# Allegro board RK3576_Template_LP5D315P132SD8_25x36_2400MHz_H1R6_V11_20240530YWQ.brd (continued)
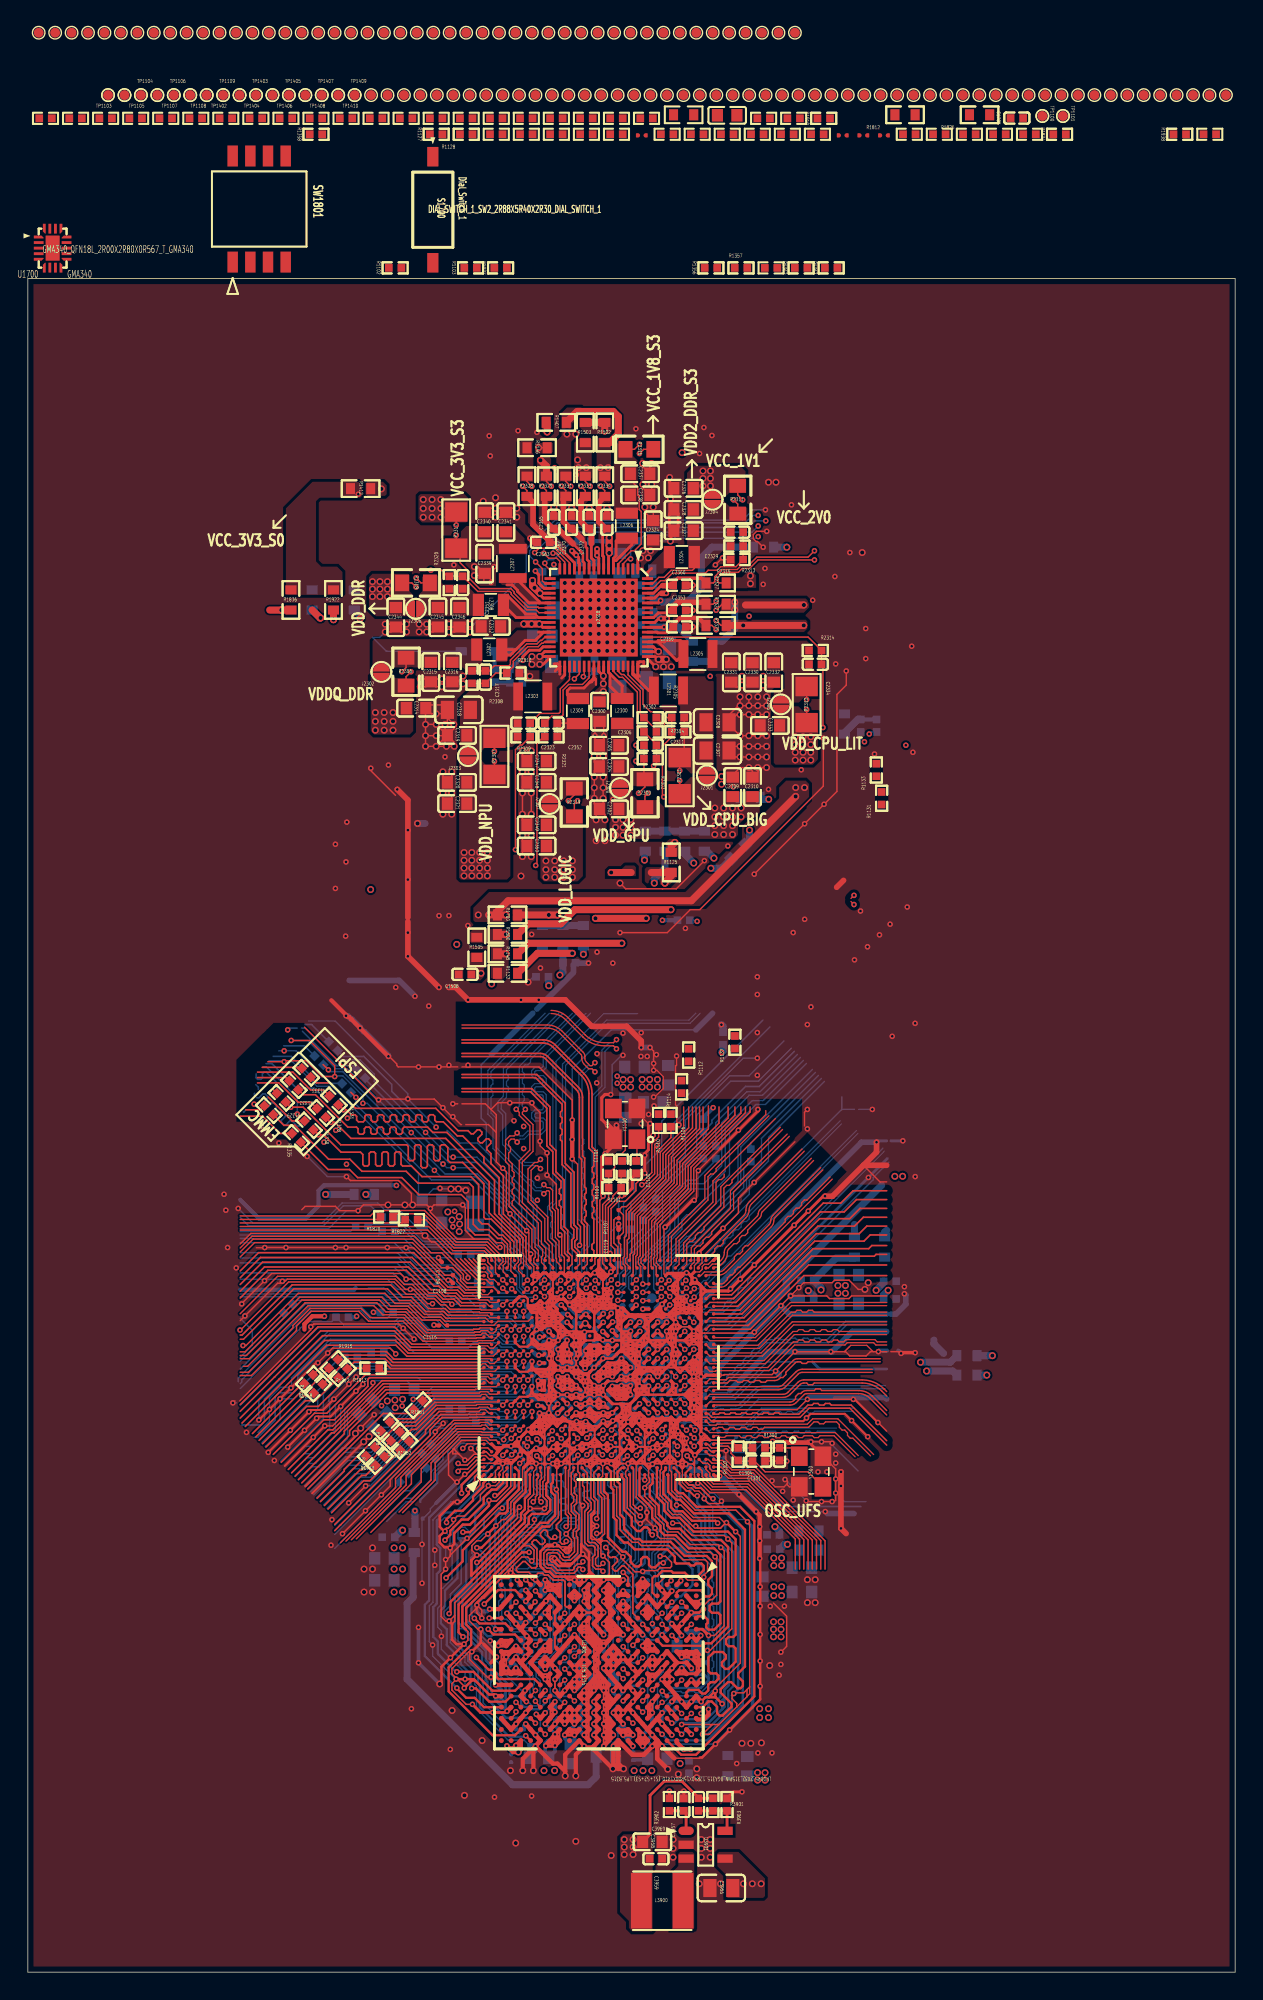
[diagram p0: board, top side]
## Placement (name value [footprint] x y rotation side) (continued)
NOREF  -  []  20.45 -15.37 0 top
R1100  22R  [R0402]  42.7 57.82 270 top
R1101  510K  [R0402]  42.18 56.35 180 top
R1102  10K  [R0402]  26.39 122.43 0 top
R1103  23.2K  [R0402]  31.81 122.43 0 top
R1104  10K  [R0402]  44.45 133.17 0 top
R1105  10K  [R0402]  47.12 75.56 0 bottom
R1106  0R  [R0402]  46.21 61.18 90 top
R1107  0R  [R0201]  42.44 54.46 270 top
R1109  0R  [R0402]  51.94 58.67 90 bottom
R1110  0R  [R0402]  45.32 61.18 90 top
R1111  0R  [R0402]  56.73 132.03 0 top
R1112  0R  [R0402]  47.48 65.88 90 top
R1114  0R  [R0402]  46.97 63.6 90 top
R1115  0R  [R0402]  14.22 133.17 0 top
R1116  0R  [R0402]  45.11 55.09 90 bottom
R1117  0R  [R0402]  48.53 58.9 90 bottom
R1118  0R  [R0402]  49.42 58.9 90 bottom
R1119  0.1R  [R0603]  44.36 81.25 270 bottom
R1120  0R  [R0402]  42.44 51.28 90 bottom
R1121  100K  [R0402]  48.53 60.83 270 bottom
R1122  0R  [R0402]  44.22 54.45 90 bottom
R1123  0R  [R0402]  43.33 53.82 90 bottom
R1125  0.1R  [R0603]  46.23 79.72 90 top
R1127  2.2K  [R0402]  29.34 132.03 0 top
R1128  2.2K  [R0402]  31.5 132.03 0 top
R1130  0R  [R0402]  63.33 132.03 0 top
R1131  0R  [R0402]  61.34 84.33 90 top
R1132  0.1R  [R0603]  34.46 71.75 0 top
R1133  0R  [R0402]  60.96 86.36 90 top
R1134  2.2K  [R0402]  45.93 132.03 0 top
R1135  2.2K  [R0402]  48.09 132.03 0 top
R1136  0.1R  [R0603]  39.91 74.46 270 bottom
R1137  0R  [R0402]  50.8 66.8 90 top
R1138  2.2K  [R0402]  60.98 89.54 270 bottom
R1139  2.2K  [R0402]  59.84 89.54 270 bottom
R1140  0R  [R0402]  65.49 132.03 0 top
R1141  0.1R  [R0603]  58.67 89.66 90 bottom
R1146  0.1R  [R0603]  36.59 109.51 180 top
R1147  0.1R  [R0603]  47.75 94.89 90 bottom
R1148  0.1R  [R0603]  34.46 73.15 180 top
R1200  240R  [R0201]  42.4 38.98 270 bottom
R1201  240R  [R0201]  38.93 39.4 90 bottom
R1202  0R  [R0402]  25.91 31.24 0 bottom
R1203  NC/0R  [R0201]  36.96 39.73 180 bottom
R1300  22R  [R0402]  52.51 37.66 0 top
R1301  8.2K  [R0201]  46.99 39.66 315 bottom
R1302  510K  [R0402]  51.04 37.21 270 top
R1303  0R  [R0201]  49.9 38.84 0 bottom
R1304  0R  [R0201]  48.31 36.62 0 bottom
R1305  0R  [R0201]  49.9 39.47 0 bottom
R1306  0R  [R0201]  50.32 36.96 0 bottom
R1307  0R  [R0201]  51.17 37.8 0 bottom
R1308  0.1R  [R0603]  67.47 44.29 0 bottom
R1309  0R  [R0201]  51.17 38.43 0 bottom
R1310  0R  [R0201]  36.61 50.56 90 bottom
R1313  0R  [R0201]  44.11 131.95 0 top
R1314  0R  [R0201]  58.55 131.95 0 top
R1318  0R  [R0201]  60.03 131.95 0 top
R1319  0R  [R0201]  61.51 131.95 0 top
R1320  0.1R  [R0603]  56.12 31.69 0 bottom
R1323  0.1R  [R0603]  56.12 30.32 0 bottom
R1324  0.1R  [R0603]  67.47 42.89 0 bottom
R1328  0R  [R0402]  21.09 61.73 135 top
R1329  0R  [R0402]  18.21 62.82 135 top
R1330  0R  [R0402]  20.2 60.83 135 top
R1331  0R  [R0402]  21.99 62.63 135 top
R1332  0R  [R0402]  19.11 63.71 135 top
R1333  0R  [R0402]  20.01 64.61 135 top
R1334  0R  [R0402]  17.31 61.92 135 top
R1335  0R  [R0402]  19.3 59.93 135 top
R1336  0R  [R0402]  21.94 66.52 135 bottom
R1337  0R  [R0402]  20.91 65.5 135 bottom
R1338  0R  [R0402]  23.91 64.55 135 bottom
R1339  0R  [R0402]  22.89 63.52 135 bottom
R1346  0.1R  [R0603]  23.46 98.57 90 bottom
R1353  22R  [R0402]  33.15 47.85 180 bottom
R1354  0.1R  [R0603]  24.17 55.87 180 bottom
R1356  NC/0R  [R0402]  49.08 122.43 0 top
R1357  NC/0R  [R0402]  51.24 122.43 0 top
R1358  NC/0R  [R0402]  20.7 132.03 0 top
R1359  NC/0R  [R0402]  53.4 122.43 0 top
R1362  NC/0R  [R0402]  55.56 122.43 0 top
R1363  NC/0R  [R0402]  57.71 122.43 0 top
R1400  8.2K  [R0201]  47.84 43.83 0 bottom
R1401  200R  [R0201]  47.5 41.3 0 bottom
R1402  200R  [R0201]  48.35 44.7 270 bottom
R1403  0.1R  [R0603]  59.39 52.09 90 bottom
R1404  0.1R  [R0603]  51.89 84.4 180 bottom
R1405  10K  [R0402]  22.86 133.17 0 top
R1406  20K  [R0402]  42.29 133.17 0 top
R1407  0.1R  [R0603]  37.96 111.33 0 top
R1409  0.1R  [R0603]  61.56 52.09 90 bottom
R1412  0.1R  [R0603]  23.91 106.57 180 top
R1500  0.1R  [R0603]  34.46 74.55 180 top
R1501  0.1R  [R0603]  45.77 81.25 90 bottom
R1502  0.1R  [R0603]  41.45 110.6 270 top
R1503  NC/0.1R  [R0603]  40.05 110.6 270 top
R1504  0.1R  [R0603]  51.03 80.5 45 bottom
R1505  0.1R  [R0603]  32.26 73.62 90 top
R1506  0.1R  [R0603]  48.6 81.25 90 bottom
R1507  0.1R  [R0603]  36.97 74.46 90 bottom
R1600  8.2K  [R0201]  46.67 48.31 90 bottom
R1602  0.1R  [R0603]  47.19 81.25 90 bottom
R1700  0.1R  [R0603]  34.46 75.95 180 top
R1701  0.1R  [R0603]  38.44 74.46 90 bottom
R1702  0.1R  [R0603]  47.12 133.43 0 top
R1707  100K  [R0402]  20.7 133.17 0 top
R1712  10K  [R0402]  52.86 133.17 0 top
R1800  2.2K  [R0402]  33.66 132.03 0 top
R1801  2.2K  [R0402]  35.81 132.03 0 top
R1802  0R  [R0402]  28.62 37.61 225 bottom
R1803  0R  [R0402]  28.97 36.54 225 bottom
R1804  0R  [R0402]  25.02 133.17 0 top
R1806  0R  [R0402]  27.04 35.53 225 bottom
R1807  0R  [R0402]  67.65 132.03 0 top
R1808  0R  [R0402]  27.18 133.17 0 top
R1810  0R  [R0402]  29.34 133.17 0 top
R1812  0.1R  [R0603]  63.02 133.43 0 top
R1814  0R  [R0402]  31.5 133.17 0 top
R1815  0R  [R0402]  31.37 51.56 180 bottom
R1816  0R  [R0402]  32.77 50.42 180 bottom
R1817  0R  [R0402]  33.66 133.17 0 top
R1818  0R  [R0402]  18.54 133.17 0 top
R1819  0R  [R0402]  32.77 49.53 180 bottom
R1820  0R  [R0402]  25.78 54.25 180 top
R1821  0R  [R0402]  25.91 54.23 180 bottom
R1822  0R  [R0402]  27.56 54.05 180 top
R1823  0R  [R0402]  25.91 53.21 180 bottom
R1824  0R  [R0402]  24 53.59 180 bottom
R1826  0.1R  [R0603]  68.38 133.43 0 top
R1827  0R  [R0402]  35.81 133.17 0 top
R1830  0R  [R0402]  69.81 132.03 0 top
R1832  0R  [R0402]  71.96 132.03 0 top
R1834  0R  [R0402]  74.12 132.03 0 top
R1836  0.1R  [R0603]  18.9 98.57 90 top
R1845  2.2K  [R0402]  37.97 132.03 0 top
R1846  2.2K  [R0402]  40.13 132.03 0 top
R1900  0R  [R0402]  37.97 133.17 0 top
R1902  0R  [R0402]  40.13 133.17 0 top
R1904  0R  [R0402]  7.75 133.17 0 top
R1907  0R  [R0402]  9.91 133.17 0 top
R1908  0R  [R0402]  12.07 133.17 0 top
R1909  4.7K  [R0402]  55.02 133.17 0 top
R1910  4.7K  [R0402]  57.18 133.17 0 top
R1911  0R  [R0402]  18.74 47.62 225 bottom
R1912  0R  [R0402]  22.64 43.02 225 top
R1913  0R  [R0402]  24.8 43.39 180 top
R1914  0R  [R0402]  33.05 44.62 180 bottom
R1915  0R  [R0402]  21.95 43.7 225 top
R1916  2.2K  [R0402]  22.59 47.05 180 bottom
R1917  2.2K  [R0402]  25.79 47.4 0 bottom
R1918  0R  [R0402]  20.86 41.92 225 top
R1919  0R  [R0402]  20.18 42.6 225 top
R1920  0R  [R0402]  23.22 44.16 180 bottom
R1921  0R  [R0402]  25.12 44.49 180 bottom
R1922  0.1R  [R0603]  21.96 98.57 90 top
R1924  0R  [R0402]  54.57 132.03 0 top
R1925  0R  [R0402]  16.38 133.17 0 top
R1926  2.2K  [R0402]  42.29 132.03 0 top
R1927  2.2K  [R0402]  33.97 122.43 0 top
R1928  0R  [R0402]  25.68 39.21 225 top
R1929  0R  [R0402]  26.4 38.49 225 top
R1930  0R  [R0402]  24.62 37.4 225 top
R1931  0R  [R0402]  28.04 40.73 225 top
R1932  0R  [R0402]  27.08 37.81 225 top
R1933  0R  [R0402]  25.3 36.71 225 top
R1934  2.2K  [R0402]  50.25 132.03 0 top
R1935  2.2K  [R0402]  52.41 132.03 0 top
R1937  0.1R  [R0603]  20.43 98.57 90 bottom
R1938  0R  [R0402]  82.76 132.03 0 top
R1939  0R  [R0402]  84.92 132.03 0 top
R1942  0R  [R0402]  1.27 133.17 0 top
R1943  0R  [R0402]  3.43 133.17 0 top
R1946  0R  [R0402]  5.59 133.17 0 top
R1949  0R  [R0402]  30.73 45.34 180 bottom
R1951  0R  [R0402]  32.64 39.5 180 bottom
R1952  0R  [R0402]  33.15 42.49 180 bottom
R1953  0R  [R0402]  30.73 40.44 180 bottom
R2300  0.02R  [R0805]  44.34 84.69 90 top
R2301  0.01R  [R1206]  46.83 85.95 270 top
R2302  49.9K  [R0402]  44.71 89.09 0 top
R2303  NC/100R  [R0402]  44.71 87.17 0 top
R2304  100R  [R0402]  46.71 89.1 180 top
R2305  100K  [R0402]  44.71 90.12 0 top
R2306  0.02R  [R0805]  27.17 93.42 90 top
R2307  0.01R  [R1206]  33.52 87.34 270 top
R2308  2K  [R0402]  31.91 93.03 270 top
R2309  NC/100R  [R0402]  35.64 88.74 0 top
R2310  100K  [R0402]  34.86 93.33 0 top
R2311  0.02R  [R0805]  51 105.77 270 top
R2312  0.01R  [R1206]  55.95 91.06 270 top
R2313  110K  [R0402]  50.94 102.44 0 top
R2314  100R  [R0402]  56.57 94.95 0 top
R2315  100K  [R0402]  50.94 101.48 180 top
R2316  0.02R  [R0805]  43.94 109.4 180 top
R2317  0.01R  [R1206]  30.78 103.59 90 top
R2318  0.02R  [R0805]  27.89 99.8 0 top
R2319  0.02R  [R0805]  39.26 84.03 270 top
R2320  100R  [R0402]  30.28 99.82 90 top
R2321  100R  [R0402]  37.59 88.74 180 top
R2322  0.02R  [R0603]  49.45 98.27 0 top
R2324  0R  [R0402]  40.01 102.81 180 bottom
R2325  0.05R  [R0603]  49.45 96.75 0 top
R2326  0.02R  [R0603]  52.86 102.37 0 bottom
R2327  0.05R  [R0603]  49.45 99.79 0 top
R2328  0.05R  [R0603]  35.86 106.74 90 top
R2329  0.05R  [R0603]  37.26 106.74 90 top
R2330  200K  [R0402]  33.56 93.12 270 bottom
R2331  0.02R  [R0603]  38.65 106.74 90 top
R2332  200K  [R0402]  35.08 92.62 0 bottom
R2333  0.02R  [R0603]  40.05 106.74 90 top
R2334  0.05R  [R0603]  41.45 106.74 90 top
R3900  240R  [R0201]  43.49 15.52 90 bottom
R3901  100K  [R0402]  49.22 12.04 270 top
R3902  56K  [R0402]  46.09 12.04 270 top
R3903  200K  [R0402]  50.24 12.04 90 top
R3904  0R  [R0603]  50.29 14.83 90 bottom
R3906  0R  [R0603]  27.76 30.86 90 bottom
S1700  Dial_Switch_1  [SW2_2R88X5R40X2R30]  29.1 126.61 0 top
SW1801  Dial_Switch_4  [SW8_5R68X5R40X2R30]  16.62 126.66 0 top
TP1100  TP_0.7  [TP_0R70]  72.89 133.34 0 top
TP1101  TP_0.7  [TP_0R70]  74.37 133.34 0 top
TP1102  TP_0.7  [TP_0R70]  44.83 48.41 180 bottom
TP1103  TP_0.7  [TP_0R70]  5.76 134.84 0 top
TP1104  TP_0.7  [TP_0R70]  6.94 134.84 0 top
TP1105  TP_0.7  [TP_0R70]  8.12 134.84 0 top
TP1106  TP_0.7  [TP_0R70]  9.31 134.84 0 top
TP1107  TP_0.7  [TP_0R70]  10.49 134.84 0 top
TP1108  TP_0.7  [TP_0R70]  11.67 134.84 0 top
TP1109  TP_0.7  [TP_0R70]  12.85 134.84 0 top
TP1400  TP_0.7  [TP_0R70]  48.9 43.18 270 bottom
TP1401  TP_0.7  [TP_0R70]  49.15 44.96 270 bottom
TP1402  TP_0.7  [TP_0R70]  14.03 134.84 0 top
TP1403  TP_0.7  [TP_0R70]  15.21 134.84 0 top
TP1404  TP_0.7  [TP_0R70]  16.39 134.84 0 top
TP1405  TP_0.7  [TP_0R70]  17.57 134.84 0 top
TP1406  TP_0.7  [TP_0R70]  18.75 134.84 0 top
TP1407  TP_0.7  [TP_0R70]  19.94 134.84 0 top
TP1408  TP_0.7  [TP_0R70]  21.12 134.84 0 top
TP1409  TP_0.7  [TP_0R70]  22.3 134.84 0 top
TP1410  TP_0.7  [TP_0R70]  23.48 134.84 0 top
TP1411  TP_0.7  [TP_0R70]  24.66 134.84 0 top
TP1412  TP_0.7  [TP_0R70]  25.84 134.84 0 top
TP1413  TP_0.7  [TP_0R70]  27.02 134.84 0 top
TP1414  TP_0.7  [TP_0R70]  28.2 134.84 0 top
TP1415  TP_0.7  [TP_0R70]  29.38 134.84 0 top
TP1500  TP_0.7  [TP_0R70]  30.57 134.84 0 top
TP1501  TP_0.7  [TP_0R70]  31.75 134.84 0 top
TP1502  TP_0.7  [TP_0R70]  32.93 134.84 0 top
TP1503  TP_0.7  [TP_0R70]  34.11 134.84 0 top
TP1504  TP_0.7  [TP_0R70]  35.29 134.84 0 top
TP1505  TP_0.7  [TP_0R70]  36.47 134.84 0 top
TP1506  TP_0.7  [TP_0R70]  37.65 134.84 0 top
TP1507  TP_0.7  [TP_0R70]  38.83 134.84 0 top
TP1508  TP_0.7  [TP_0R70]  40.01 134.84 0 top
TP1509  TP_0.7  [TP_0R70]  41.2 134.84 0 top
TP1510  TP_0.7  [TP_0R70]  42.38 134.84 0 top
TP1511  TP_0.7  [TP_0R70]  43.56 134.84 0 top
TP1512  TP_0.7  [TP_0R70]  44.74 134.84 0 top
TP1513  TP_0.7  [TP_0R70]  45.92 134.84 0 top
TP1514  TP_0.7  [TP_0R70]  47.1 134.84 0 top
TP1515  TP_0.7  [TP_0R70]  48.28 134.84 0 top
TP1516  TP_0.7  [TP_0R70]  49.46 134.84 0 top
TP1517  TP_0.7  [TP_0R70]  50.64 134.84 0 top
TP1518  TP_0.7  [TP_0R70]  51.83 134.84 0 top
TP1519  TP_0.7  [TP_0R70]  53.01 134.84 0 top
TP1520  TP_0.7  [TP_0R70]  54.19 134.84 0 top
TP1521  TP_0.7  [TP_0R70]  55.37 134.84 0 top
TP1522  TP_0.7  [TP_0R70]  56.55 134.84 0 top
TP1523  TP_0.7  [TP_0R70]  57.73 134.84 0 top
TP1524  TP_0.7  [TP_0R70]  58.91 134.84 0 top
TP1525  TP_0.7  [TP_0R70]  60.09 134.84 0 top
TP1526  TP_0.7  [TP_0R70]  61.27 134.84 0 top
TP1527  TP_0.7  [TP_0R70]  62.46 134.84 0 top
TP1528  TP_0.7  [TP_0R70]  63.64 134.84 0 top
TP1529  TP_0.7  [TP_0R70]  64.82 134.84 0 top
TP1530  TP_0.7  [TP_0R70]  66 134.84 0 top
TP1531  TP_0.7  [TP_0R70]  67.18 134.84 0 top
TP1532  TP_0.7  [TP_0R70]  68.36 134.84 0 top
TP1533  TP_0.7  [TP_0R70]  69.54 134.84 0 top
TP1534  TP_0.7  [TP_0R70]  70.72 134.84 0 top
TP1535  TP_0.7  [TP_0R70]  71.9 134.84 0 top
TP1536  TP_0.7  [TP_0R70]  73.08 134.84 0 top
TP1537  TP_0.7  [TP_0R70]  74.27 134.84 0 top
TP1538  TP_0.7  [TP_0R70]  75.45 134.84 0 top
TP1539  TP_0.7  [TP_0R70]  76.63 134.84 0 top
TP1540  TP_0.7  [TP_0R70]  77.81 134.84 0 top
TP1541  TP_0.7  [TP_0R70]  78.99 134.84 0 top
TP1542  TP_0.7  [TP_0R70]  80.17 134.84 0 top
TP1543  TP_0.7  [TP_0R70]  81.35 134.84 0 top
TP1600  TP_0.7  [TP_0R70]  82.53 134.84 0 top
TP1601  TP_0.7  [TP_0R70]  83.71 134.84 0 top
TP1602  TP_0.7  [TP_0R70]  84.9 134.84 0 top
TP1603  TP_0.7  [TP_0R70]  86.08 134.84 0 top
TP1604  TP_0.7  [TP_0R70]  0.78 139.32 0 top
TP1605  TP_0.7  [TP_0R70]  1.96 139.32 0 top
TP1606  TP_0.7  [TP_0R70]  3.14 139.32 0 top
TP1607  TP_0.7  [TP_0R70]  4.32 139.32 0 top
TP1608  TP_0.7  [TP_0R70]  5.51 139.32 0 top
TP1609  TP_0.7  [TP_0R70]  6.69 139.32 0 top
TP1700  TP_0.7  [TP_0R70]  7.87 139.32 0 top
TP1701  TP_0.7  [TP_0R70]  9.05 139.32 0 top
TP1702  TP_0.7  [TP_0R70]  10.23 139.32 0 top
TP1703  TP_0.7  [TP_0R70]  11.41 139.32 0 top
TP1704  TP_0.7  [TP_0R70]  12.59 139.32 0 top
TP1705  TP_0.7  [TP_0R70]  13.77 139.32 0 top
TP1706  TP_0.7  [TP_0R70]  14.95 139.32 0 top
TP1707  TP_0.7  [TP_0R70]  16.14 139.32 0 top
TP1800  TP_0.7  [TP_0R70]  17.32 139.32 0 top
TP1801  TP_0.7  [TP_0R70]  18.5 139.32 0 top
TP1802  TP_0.7  [TP_0R70]  19.68 139.32 0 top
TP1803  TP_0.7  [TP_0R70]  20.86 139.32 0 top
TP1804  TP_0.7  [TP_0R70]  22.04 139.32 0 top
TP1805  TP_0.7  [TP_0R70]  23.22 139.32 0 top
TP1806  TP_0.7  [TP_0R70]  24.4 139.32 0 top
TP1807  TP_0.7  [TP_0R70]  25.58 139.32 0 top
TP1808  TP_0.7  [TP_0R70]  26.77 139.32 0 top
TP1809  TP_0.7  [TP_0R70]  27.95 139.32 0 top
TP1900  TP_0.7  [TP_0R70]  29.13 139.32 0 top
TP1901  TP_0.7  [TP_0R70]  30.31 139.32 0 top
TP1902  TP_0.7  [TP_0R70]  31.49 139.32 0 top
TP1903  TP_0.7  [TP_0R70]  32.67 139.32 0 top
TP1904  TP_0.7  [TP_0R70]  33.85 139.32 0 top
TP1905  TP_0.7  [TP_0R70]  35.03 139.32 0 top
TP1906  TP_0.7  [TP_0R70]  36.21 139.32 0 top
TP1907  TP_0.7  [TP_0R70]  37.4 139.32 0 top
TP1908  TP_0.7  [TP_0R70]  38.58 139.32 0 top
TP1909  TP_0.7  [TP_0R70]  39.76 139.32 0 top
TP1910  TP_0.7  [TP_0R70]  40.94 139.32 0 top
TP1911  TP_0.7  [TP_0R70]  42.12 139.32 0 top
TP1912  TP_0.7  [TP_0R70]  43.3 139.32 0 top
TP1913  TP_0.7  [TP_0R70]  44.48 139.32 0 top
TP1914  TP_0.7  [TP_0R70]  45.66 139.32 0 top
TP1915  TP_0.7  [TP_0R70]  46.84 139.32 0 top
TP1916  TP_0.7  [TP_0R70]  48.03 139.32 0 top
TP1917  TP_0.7  [TP_0R70]  49.21 139.32 0 top
TP1918  TP_0.7  [TP_0R70]  50.39 139.32 0 top
TP1919  TP_0.7  [TP_0R70]  51.57 139.32 0 top
TP1920  TP_0.7  [TP_0R70]  52.75 139.32 0 top
TP1921  TP_0.7  [TP_0R70]  53.93 139.32 0 top
TP1922  TP_0.7  [TP_0R70]  55.11 139.32 0 top
TP2318  TP_0.7  [TP_0R70]  38.05 102.46 180 bottom
U1000  RK3576  [BGA698_16R1X17R2X1R08]  41.02 43.43 90 top
U1700  GMA340  [QFN18L_2R00X2R80X0R567_T]  1.78 123.85 0 top
U2300  RK806S-5  [QFN68_7R00X7R00X0R80_T]  41.02 97.31 270 top
U3900  LP5_B315  [BGA315_12R40X15R00X1R10]  41.02 22.23 270 top
U3901  TMI3112H/TCS4203/EC3420  [SOT_23_5]  48.69 9.15 0 top
Y1100  24MHz  [CRY4_3R20X2R50X0R80]  42.91 60.94 90 top
Y1300  26MHz  [CRY4_3R20X2R50X0R80]  56.28 35.96 270 top

## Library data of the parts
C1000-C1007 C1009-C1013 C1015-C1018 C1020-C1024 C1026-C1040 C1100-C1119 C1200-C1214 C1300-C1309 C1400 C1402 C1404-C1406 C1408 C1409 C1500-C1510 C1600-C1603 C1700-C1706 C1800-C1802 C1901 C1903 C2300 C2301 C2307 C2308 C2311-C2313 C2315-C2317 C2324 C2325 C2327-C2332 C2334-C2343 C2345-C2348 C2351-C2372 C3902-C3910 C3912-C3916 C3918-C3931 C3933-C3935 C3938 C3941-C3945 C3947-C3952 C3954 C3956-C3962 C3964-C3968 C3970 = CAP NP
C1008 C1014 C1401 C1403 C1407 C1900 C1902 C2302 C2304-C2306 C2309 C2310 C2314 C2318-C2321 C2323 C2326 C2333 C2344 C2349 C2350 C3900 C3901 C3911 C3917 C3932 C3936 C3937 C3939 C3940 C3946 C3953 C3955 C3963 C3969 = CAP NP_NC
D2300 = DIODE ZENER2
D2301 = DIODE
J2300-J2307 = JM_0
L2300-L2309 L3900 = INDUCTORS OF FERRITE
R1100 R1101 R1104-R1107 R1109-R1112 R1114-R1123 R1125 R1127 R1128 R1130-R1141 R1146-R1148 R1202 R1300-R1302 R1304 R1306 R1308 R1320 R1323 R1324 R1400-R1407 R1409 R1412 R1500-R1502 R1504-R1507 R1600 R1602 R1700-R1702 R1707 R1712 R1800-R1804 R1806-R1808 R1810 R1812 R1814-R1824 R1826 R1827 R1830 R1832 R1834 R1836 R1845 R1846 R1900 R1902 R1904 R1907-R1911 R1916 R1917 R1920-R1922 R1924-R1927 R1934 R1935 R1937-R1939 R1942 R1943 R1946 R1949 R1951-R1953 R2300 R2301 R2304-R2307 R2310-R2312 R2314-R2322 R2324-R2334 R3901-R3904 R3906 = RESISTOR5
R1102 R1103 R2302 R2308 R2313 = RESISTOR1
R1200 R1201 R1203 R1503 R2303 R2309 R3900 = RESISTOR5_NC
R1303 R1305 R1307 R1309 R1310 R1313 R1314 R1318 R1319 R1346 R1353 R1354 R1912-R1915 R1918 R1919 R1928-R1933 = RESISTOR5: signal model: RESISTOR5_R0201_0R_0R
R1328-R1339 = RESISTOR5: signal model: RESISTOR5_R0402_0R_0R
R1356-R1359 R1362 R1363 = RESISTOR5_NC: signal model: RESISTOR5_NC_R0402_NC/0R_NC/0R
S1700 = Dial_Switch_1
SW1801 = Dial_Switch_4
TP1100-TP1109 TP1400-TP1415 TP1500-TP1543 TP1600-TP1609 TP1700-TP1707 TP1800-TP1809 TP1900-TP1922 TP2318 = TP
U1000 = SOC_RK3576
U1700 = GMA340
U2300 = PMIC_RK806S-5
U3900 = LPDDR5_2X32_315Pin
U3901 = DCDC_SY8088
Y1100 Y1300 = CRYSTAL_4P

## Footprints (pads in the part's own frame, mm; a bottom-side part is the same pattern mirrored in y, then rotated)
BGA315_12R40X15R00X1R10
  round 0.35 smd: A1(-5.6,7) A2(-4.8,7) A3(-4,7) A4(-3.2,7) A5(-2.4,7) A6(-1.6,7) A7(-0.8,7) A8(0,7) A9(0.8,7) A10(1.6,7) A11(2.4,7) A12(3.2,7) A13(4,7) A14(4.8,7) A15(5.6,7) AA1(-5.6,-7) AA2(-4.8,-7) AA3(-4,-7) AA4(-3.2,-7) AA5(-2.4,-7) AA6(-1.6,-7) AA7(-0.8,-7) AA8(0,-7) AA9(0.8,-7) AA10(1.6,-7) AA11(2.4,-7) AA12(3.2,-7) AA13(4,-7) AA14(4.8,-7) AA15(5.6,-7) B1(-5.6,6.3) B2(-4.8,6.3) B3(-4,6.3) B4(-3.2,6.3) B5(-2.4,6.3) B6(-1.6,6.3) B7(-0.8,6.3) B8(0,6.3) B9(0.8,6.3) B10(1.6,6.3) B11(2.4,6.3) B12(3.2,6.3) B13(4,6.3) B14(4.8,6.3) B15(5.6,6.3) C1(-5.6,5.6) C2(-4.8,5.6) C3(-4,5.6) C4(-3.2,5.6) C5(-2.4,5.6) C6(-1.6,5.6) C7(-0.8,5.6) C8(0,5.6) C9(0.8,5.6) C10(1.6,5.6) C11(2.4,5.6) C12(3.2,5.6) C13(4,5.6) C14(4.8,5.6) C15(5.6,5.6) D1(-5.6,4.9) D2(-4.8,4.9) D3(-4,4.9) D4(-3.2,4.9) D5(-2.4,4.9) D6(-1.6,4.9) D7(-0.8,4.9) D8(0,4.9) D9(0.8,4.9) D10(1.6,4.9) D11(2.4,4.9) D12(3.2,4.9) D13(4,4.9) D14(4.8,4.9) D15(5.6,4.9) E1(-5.6,4.2) E2(-4.8,4.2) E3(-4,4.2) E4(-3.2,4.2) E5(-2.4,4.2) E6(-1.6,4.2) E7(-0.8,4.2) E8(0,4.2) E9(0.8,4.2) E10(1.6,4.2) E11(2.4,4.2) E12(3.2,4.2) E13(4,4.2) E14(4.8,4.2) E15(5.6,4.2) F1(-5.6,3.5) F2(-4.8,3.5) F3(-4,3.5) F4(-3.2,3.5) F5(-2.4,3.5) F6(-1.6,3.5) F7(-0.8,3.5) F8(0,3.5) F9(0.8,3.5) F10(1.6,3.5) F11(2.4,3.5) F12(3.2,3.5) F13(4,3.5) F14(4.8,3.5) F15(5.6,3.5) G1(-5.6,2.8) G2(-4.8,2.8) G3(-4,2.8) G4(-3.2,2.8) G5(-2.4,2.8) G6(-1.6,2.8) G7(-0.8,2.8) G8(0,2.8) G9(0.8,2.8) G10(1.6,2.8) G11(2.4,2.8) G12(3.2,2.8) G13(4,2.8) G14(4.8,2.8) G15(5.6,2.8) H1(-5.6,2.1) H2(-4.8,2.1) H3(-4,2.1) H4(-3.2,2.1) H5(-2.4,2.1) H6(-1.6,2.1) H7(-0.8,2.1) H8(0,2.1) H9(0.8,2.1) H10(1.6,2.1) H11(2.4,2.1) H12(3.2,2.1) H13(4,2.1) H14(4.8,2.1) H15(5.6,2.1) J1(-5.6,1.4) J2(-4.8,1.4) J3(-4,1.4) J4(-3.2,1.4) J5(-2.4,1.4) J6(-1.6,1.4) J7(-0.8,1.4) J8(0,1.4) J9(0.8,1.4) J10(1.6,1.4) J11(2.4,1.4) J12(3.2,1.4) J13(4,1.4) J14(4.8,1.4) J15(5.6,1.4) K1(-5.6,0.7) K2(-4.8,0.7) K3(-4,0.7) K4(-3.2,0.7) K5(-2.4,0.7) K6(-1.6,0.7) K7(-0.8,0.7) K8(0,0.7) K9(0.8,0.7) K10(1.6,0.7) K11(2.4,0.7) K12(3.2,0.7) K13(4,0.7) K14(4.8,0.7) K15(5.6,0.7) L1(-5.6,0) L2(-4.8,0) L3(-4,0) L4(-3.2,0) L5(-2.4,0) L6(-1.6,0) L7(-0.8,0) L8(0,0) L9(0.8,0) L10(1.6,0) L11(2.4,0) L12(3.2,0) L13(4,0) L14(4.8,0) L15(5.6,0) M1(-5.6,-0.7) M2(-4.8,-0.7) M3(-4,-0.7) M4(-3.2,-0.7) M5(-2.4,-0.7) M6(-1.6,-0.7) M7(-0.8,-0.7) M8(0,-0.7) M9(0.8,-0.7) M10(1.6,-0.7) M11(2.4,-0.7) M12(3.2,-0.7) M13(4,-0.7) M14(4.8,-0.7) M15(5.6,-0.7) N1(-5.6,-1.4) N2(-4.8,-1.4) N3(-4,-1.4) N4(-3.2,-1.4) N5(-2.4,-1.4) N6(-1.6,-1.4) N7(-0.8,-1.4) N8(0,-1.4) N9(0.8,-1.4) N10(1.6,-1.4) N11(2.4,-1.4) N12(3.2,-1.4) N13(4,-1.4) N14(4.8,-1.4) N15(5.6,-1.4) P1(-5.6,-2.1) P2(-4.8,-2.1) P3(-4,-2.1) P4(-3.2,-2.1) P5(-2.4,-2.1) P6(-1.6,-2.1) P7(-0.8,-2.1) P8(0,-2.1) P9(0.8,-2.1) P10(1.6,-2.1) P11(2.4,-2.1) P12(3.2,-2.1) P13(4,-2.1) P14(4.8,-2.1) P15(5.6,-2.1) R1(-5.6,-2.8) R2(-4.8,-2.8) R3(-4,-2.8) R4(-3.2,-2.8) R5(-2.4,-2.8) R6(-1.6,-2.8) R7(-0.8,-2.8) R8(0,-2.8) R9(0.8,-2.8) R10(1.6,-2.8) R11(2.4,-2.8) R12(3.2,-2.8) R13(4,-2.8) R14(4.8,-2.8) R15(5.6,-2.8) T1(-5.6,-3.5) T2(-4.8,-3.5) T3(-4,-3.5) T4(-3.2,-3.5) T5(-2.4,-3.5) T6(-1.6,-3.5) T7(-0.8,-3.5) T8(0,-3.5) T9(0.8,-3.5) T10(1.6,-3.5) T11(2.4,-3.5) T12(3.2,-3.5) T13(4,-3.5) T14(4.8,-3.5) T15(5.6,-3.5) U1(-5.6,-4.2) U2(-4.8,-4.2) U3(-4,-4.2) U4(-3.2,-4.2) U5(-2.4,-4.2) U6(-1.6,-4.2) U7(-0.8,-4.2) U8(0,-4.2) U9(0.8,-4.2) U10(1.6,-4.2) U11(2.4,-4.2) U12(3.2,-4.2) U13(4,-4.2) U14(4.8,-4.2) U15(5.6,-4.2) V1(-5.6,-4.9) V2(-4.8,-4.9) V3(-4,-4.9) V4(-3.2,-4.9) V5(-2.4,-4.9) V6(-1.6,-4.9) V7(-0.8,-4.9) V8(0,-4.9) V9(0.8,-4.9) V10(1.6,-4.9) V11(2.4,-4.9) V12(3.2,-4.9) V13(4,-4.9) V14(4.8,-4.9) V15(5.6,-4.9) W1(-5.6,-5.6) W2(-4.8,-5.6) W3(-4,-5.6) W4(-3.2,-5.6) W5(-2.4,-5.6) W6(-1.6,-5.6) W7(-0.8,-5.6) W8(0,-5.6) W9(0.8,-5.6) W10(1.6,-5.6) W11(2.4,-5.6) W12(3.2,-5.6) W13(4,-5.6) W14(4.8,-5.6) W15(5.6,-5.6) Y1(-5.6,-6.3) Y2(-4.8,-6.3) Y3(-4,-6.3) Y4(-3.2,-6.3) Y5(-2.4,-6.3) Y6(-1.6,-6.3) Y7(-0.8,-6.3) Y8(0,-6.3) Y9(0.8,-6.3) Y10(1.6,-6.3) Y11(2.4,-6.3) Y12(3.2,-6.3) Y13(4,-6.3) Y14(4.8,-6.3) Y15(5.6,-6.3)
BGA698_16R1X17R2X1R08
  round 0.245 smd: 1A1(-7.2,7.2) 1A2(-6.6,7.2) 1A3(-6,7.2) 1A4(-5.4,7.2) 1A5(-4.8,7.2) 1A6(-4.2,7.2) 1A7(-3.6,7.2) 1A8(-3,7.2) 1A9(-2.4,7.2) 1A10(-1.8,7.2) 1A11(-1.2,7.2) 1A12(-0.6,7.2) 1A13(0,7.2) 1A14(0.6,7.2) 1A15(1.2,7.2) 1A16(1.8,7.2) 1A17(2.4,7.2) 1A18(3,7.2) 1A19(3.6,7.2) 1A20(4.2,7.2) 1A21(4.8,7.2) 1A22(5.4,7.2) 1A23(6,7.2) 1A24(6.6,7.2) 1AA1(-7.2,-4.8) 1AA2(-6.6,-4.8) 1AA3(-6,-4.8) 1AA4(-5.4,-4.8) 1AA5(-4.8,-4.8) 1AA6(-4.2,-4.8) 1AA20(4.2,-4.8) 1AA21(4.8,-4.8) 1AA22(5.4,-4.8) 1AA23(6,-4.8) 1AA24(6.6,-4.8) 1AB1(-7.2,-5.4) 1AB2(-6.6,-5.4) 1AB3(-6,-5.4) 1AB4(-5.4,-5.4) 1AB5(-4.8,-5.4) 1AB6(-4.2,-5.4) 1AB20(4.2,-5.4) 1AB21(4.8,-5.4) 1AB22(5.4,-5.4) 1AB23(6,-5.4) 1AB24(6.6,-5.4) 1AC1(-7.2,-6) 1AC2(-6.6,-6) 1AC3(-6,-6) 1AC4(-5.4,-6) 1AC5(-4.8,-6) 1AC6(-4.2,-6) 1AC20(4.2,-6) 1AC21(4.8,-6) 1AC22(5.4,-6) 1AC23(6,-6) 1AC24(6.6,-6) 1AD1(-7.2,-6.6) 1AD2(-6.6,-6.6) 1AD3(-6,-6.6) 1AD4(-5.4,-6.6) 1AD5(-4.8,-6.6) 1AD6(-4.2,-6.6) 1AD20(4.2,-6.6) 1AD21(4.8,-6.6) 1AD22(5.4,-6.6) 1AD23(6,-6.6) 1AD24(6.6,-6.6) 1AE1(-7.2,-7.2) 1AE2(-6.6,-7.2) 1AE3(-6,-7.2) 1AE4(-5.4,-7.2) 1AE6(-4.2,-7.2) 1AE20(4.2,-7.2) 1AE21(4.8,-7.2) 1AE23(6,-7.2) 1AE24(6.6,-7.2) 1B1(-7.2,6.6) 1B2(-6.6,6.6) 1B3(-6,6.6) 1B5(-4.8,6.6) 1B6(-4.2,6.6) 1B7(-3.6,6.6) 1B9(-2.4,6.6) 1B10(-1.8,6.6) 1B12(-0.6,6.6) 1B13(0,6.6) 1B15(1.2,6.6) 1B16(1.8,6.6) 1B18(3,6.6) 1B19(3.6,6.6) 1B21(4.8,6.6) 1B22(5.4,6.6) 1B23(6,6.6) 1B24(6.6,6.6) 1C1(-7.2,6) 1C2(-6.6,6) 1C3(-6,6) 1C4(-5.4,6) 1C5(-4.8,6) 1C6(-4.2,6) 1C7(-3.6,6) 1C9(-2.4,6) 1C10(-1.8,6) 1C12(-0.6,6) 1C13(0,6) 1C15(1.2,6) 1C16(1.8,6) 1C18(3,6) 1C19(3.6,6) 1C21(4.8,6) 1C22(5.4,6) 1C23(6,6) 1C24(6.6,6) 1D1(-7.2,5.4) 1D2(-6.6,5.4) 1D3(-6,5.4) 1D4(-5.4,5.4) 1D5(-4.8,5.4) 1D6(-4.2,5.4) 1D7(-3.6,5.4) 1D9(-2.4,5.4) 1D10(-1.8,5.4) 1D12(-0.6,5.4) 1D13(0,5.4) 1D15(1.2,5.4) 1D16(1.8,5.4) 1D18(3,5.4) 1D19(3.6,5.4) 1D21(4.8,5.4) 1D22(5.4,5.4) 1D23(6,5.4) 1D24(6.6,5.4) 1E1(-7.2,4.8) 1E2(-6.6,4.8) 1E3(-6,4.8) 1E4(-5.4,4.8) 1E5(-4.8,4.8) 1E6(-4.2,4.8) 1E7(-3.6,4.8) 1E9(-2.4,4.8) 1E10(-1.8,4.8) 1E12(-0.6,4.8) 1E13(0,4.8) 1E15(1.2,4.8) 1E16(1.8,4.8) 1E18(3,4.8) 1E19(3.6,4.8) 1E21(4.8,4.8) 1E22(5.4,4.8) 1E23(6,4.8) 1E24(6.6,4.8) 1F1(-7.2,4.2) 1F2(-6.6,4.2) 1F3(-6,4.2) 1F4(-5.4,4.2) 1F5(-4.8,4.2) 1F6(-4.2,4.2) 1F20(4.2,4.2) 1F21(4.8,4.2) 1F22(5.4,4.2) 1F23(6,4.2) 1F24(6.6,4.2) 1G1(-7.2,3.6) 1G2(-6.6,3.6) 1G3(-6,3.6) 1G4(-5.4,3.6) 1G5(-4.8,3.6) 1G6(-4.2,3.6) 1G20(4.2,3.6) 1G21(4.8,3.6) 1G22(5.4,3.6) 1G23(6,3.6) 1G24(6.6,3.6) 1H1(-7.2,3) 1H2(-6.6,3) 1H3(-6,3) 1H4(-5.4,3) 1H5(-4.8,3) 1H6(-4.2,3) 1H20(4.2,3) 1H21(4.8,3) 1H22(5.4,3) 1H23(6,3) 1H24(6.6,3) 1J1(-7.2,2.4) 1J2(-6.6,2.4) 1J3(-6,2.4) 1J4(-5.4,2.4) 1J5(-4.8,2.4) 1J6(-4.2,2.4) 1J20(4.2,2.4) 1J21(4.8,2.4) 1J22(5.4,2.4) 1J23(6,2.4) 1J24(6.6,2.4) 1K1(-7.2,1.8) 1K2(-6.6,1.8) 1K3(-6,1.8) 1K4(-5.4,1.8) 1K5(-4.8,1.8) 1K6(-4.2,1.8) 1K20(4.2,1.8) 1K21(4.8,1.8) 1K22(5.4,1.8) 1K23(6,1.8) 1K24(6.6,1.8) 1L1(-7.2,1.2) 1L2(-6.6,1.2) 1L3(-6,1.2) 1L4(-5.4,1.2) 1L5(-4.8,1.2) 1L6(-4.2,1.2) 1L20(4.2,1.2) 1L21(4.8,1.2) 1L22(5.4,1.2) 1L23(6,1.2) 1L24(6.6,1.2) 1M1(-7.2,0.6) 1M2(-6.6,0.6) 1M3(-6,0.6) 1M4(-5.4,0.6) 1M5(-4.8,0.6) 1M6(-4.2,0.6) 1M20(4.2,0.6) 1M21(4.8,0.6) 1M22(5.4,0.6) 1M23(6,0.6) 1M24(6.6,0.6) 1N1(-7.2,0) 1N2(-6.6,0) 1N3(-6,0) 1N4(-5.4,0) 1N5(-4.8,0) 1N6(-4.2,0) 1N20(4.2,0) 1N21(4.8,0) 1N22(5.4,0) 1N23(6,0) 1N24(6.6,0) 1P1(-7.2,-0.6) 1P2(-6.6,-0.6) 1P3(-6,-0.6) 1P4(-5.4,-0.6) 1P5(-4.8,-0.6) 1P6(-4.2,-0.6) 1P20(4.2,-0.6) 1P21(4.8,-0.6) 1P22(5.4,-0.6) 1P23(6,-0.6) 1P24(6.6,-0.6) 1R1(-7.2,-1.2) 1R2(-6.6,-1.2) 1R3(-6,-1.2) 1R4(-5.4,-1.2) 1R5(-4.8,-1.2) 1R6(-4.2,-1.2) 1R24(6.6,-1.2) 1T1(-7.2,-1.8) 1T2(-6.6,-1.8) 1T3(-6,-1.8) 1T4(-5.4,-1.8) 1T5(-4.8,-1.8) 1T6(-4.2,-1.8) 1T20(4.2,-1.8) 1T21(4.8,-1.8) 1T22(5.4,-1.8) 1T23(6,-1.8) 1T24(6.6,-1.8) 1U1(-7.2,-2.4) 1U2(-6.6,-2.4) 1U3(-6,-2.4) 1U4(-5.4,-2.4) 1U5(-4.8,-2.4) 1U6(-4.2,-2.4) 1U20(4.2,-2.4) 1U21(4.8,-2.4) 1U22(5.4,-2.4) 1U23(6,-2.4) 1U24(6.6,-2.4) 1V1(-7.2,-3) 1V2(-6.6,-3) 1V3(-6,-3) 1V4(-5.4,-3) 1V5(-4.8,-3) 1V6(-4.2,-3) 1V24(6.6,-3) 1W1(-7.2,-3.6) 1W2(-6.6,-3.6) 1W3(-6,-3.6) 1W4(-5.4,-3.6) 1W5(-4.8,-3.6) 1W6(-4.2,-3.6) 1W20(4.2,-3.6) 1W21(4.8,-3.6) 1W22(5.4,-3.6) 1W23(6,-3.6) 1W24(6.6,-3.6) 1Y1(-7.2,-4.2) 1Y2(-6.6,-4.2) 1Y3(-6,-4.2) 1Y4(-5.4,-4.2) 1Y5(-4.8,-4.2) 1Y6(-4.2,-4.2) 1Y20(4.2,-4.2) 1Y21(4.8,-4.2) 1Y22(5.4,-4.2) 1Y23(6,-4.2) 1Y24(6.6,-4.2) 2A1(-3.575,3.9) 2A2(-2.925,3.9) 2A3(-2.275,3.9) 2A4(-1.625,3.9) 2A5(-0.975,3.9) 2A6(-0.325,3.9) 2A7(0.325,3.9) 2A8(0.975,3.9) 2A9(1.625,3.9) 2A10(2.275,3.9) 2A11(2.925,3.9) 2A12(3.575,3.9) 2B1(-3.575,3.25) 2B2(-2.925,3.25) 2B3(-2.275,3.25) 2B4(-1.625,3.25) 2B5(-0.975,3.25) 2B6(-0.325,3.25) 2B7(0.325,3.25) 2B8(0.975,3.25) 2B9(1.625,3.25) 2B10(2.275,3.25) 2B11(2.925,3.25) 2B12(3.575,3.25) 2C1(-3.575,2.6) 2C2(-2.925,2.6) 2C3(-2.275,2.6) 2C4(-1.625,2.6) 2C5(-0.975,2.6) 2C6(-0.325,2.6) 2C7(0.325,2.6) 2C8(0.975,2.6) 2C9(1.625,2.6) 2C10(2.275,2.6) 2C11(2.925,2.6) 2C12(3.575,2.6) 2D1(-3.575,1.95) 2D2(-2.925,1.95) 2D3(-2.275,1.95) 2D4(-1.625,1.95) 2D5(-0.975,1.95) 2D6(-0.325,1.95) 2D7(0.325,1.95) 2D8(0.975,1.95) 2D9(1.625,1.95) 2D10(2.275,1.95) 2D11(2.925,1.95) 2D12(3.575,1.95) 2E1(-3.575,1.3) 2E2(-2.925,1.3) 2E3(-2.275,1.3) 2E4(-1.625,1.3) 2E5(-0.975,1.3) 2E6(-0.325,1.3) 2E7(0.325,1.3) 2E8(0.975,1.3) 2E9(1.625,1.3) 2E10(2.275,1.3) 2E11(2.925,1.3) 2E12(3.575,1.3) 2F1(-3.575,0.65) 2F2(-2.925,0.65) 2F3(-2.275,0.65) 2F4(-1.625,0.65) 2F5(-0.975,0.65) 2F6(-0.325,0.65) 2F7(0.325,0.65) 2F8(0.975,0.65) 2F9(1.625,0.65) 2F10(2.275,0.65) 2F11(2.925,0.65) 2F12(3.575,0.65) 2G1(-3.575,0) 2G2(-2.925,0) 2G3(-2.275,0) 2G4(-1.625,0) 2G5(-0.975,0) 2G6(-0.325,0) 2G7(0.325,0) 2G8(0.975,0) 2G9(1.625,0) 2G10(2.275,0) 2G11(2.925,0) 2G12(3.575,0) 2H1(-3.575,-0.65) 2H2(-2.925,-0.65) 2H3(-2.275,-0.65) 2H4(-1.625,-0.65) 2H5(-0.975,-0.65) 2H6(-0.325,-0.65) 2H7(0.325,-0.65) 2H8(0.975,-0.65) 2H9(1.625,-0.65) 2H10(2.275,-0.65) 2H11(2.925,-0.65) 2H12(3.575,-0.65) 2J1(-3.575,-1.3) 2J2(-2.925,-1.3) 2J3(-2.275,-1.3) 2J4(-1.625,-1.3) 2J5(-0.975,-1.3) 2J6(-0.325,-1.3) 2J7(0.325,-1.3) 2J8(0.975,-1.3) 2J9(1.625,-1.3) 2J10(2.275,-1.3) 2J11(2.925,-1.3) 2J12(3.575,-1.3) 2K1(-3.575,-1.95) 2K2(-2.925,-1.95) 2K3(-2.275,-1.95) 2K4(-1.625,-1.95) 2K5(-0.975,-1.95) 2K6(-0.325,-1.95) 2K7(0.325,-1.95) 2K8(0.975,-1.95) 2K9(1.625,-1.95) 2K10(2.275,-1.95) 2K11(2.925,-1.95) 2K12(3.575,-1.95) 2L1(-3.575,-2.6) 2L2(-2.925,-2.6) 2L3(-2.275,-2.6) 2L4(-1.625,-2.6) 2L5(-0.975,-2.6) 2L6(-0.325,-2.6) 2L7(0.325,-2.6) 2L8(0.975,-2.6) 2L9(1.625,-2.6) 2L10(2.275,-2.6) 2L11(2.925,-2.6) 2L12(3.575,-2.6) 2M1(-3.575,-3.25) 2M2(-2.925,-3.25) 2M3(-2.275,-3.25) 2M4(-1.625,-3.25) 2M5(-0.975,-3.25) 2M6(-0.325,-3.25) 2M7(0.325,-3.25) 2M8(0.975,-3.25) 2M9(1.625,-3.25) 2M10(2.275,-3.25) 2M11(2.925,-3.25) 2M12(3.575,-3.25) 2N1(-3.575,-3.9) 2N2(-2.925,-3.9) 2N3(-2.275,-3.9) 2N4(-1.625,-3.9) 2N5(-0.975,-3.9) 2N6(-0.325,-3.9) 2N7(0.325,-3.9) 2N8(0.975,-3.9) 2N9(1.625,-3.9) 2N10(2.275,-3.9) 2N11(2.925,-3.9) 2N12(3.575,-3.9) 2P1(-3.575,-4.55) 2P2(-2.925,-4.55) 2P3(-2.275,-4.55) 2P4(-1.625,-4.55) 2P5(-0.975,-4.55) 2P6(-0.325,-4.55) 2P7(0.325,-4.55) 2P8(0.975,-4.55) 2P9(1.625,-4.55) 2P10(2.275,-4.55) 2P11(2.925,-4.55) 2P12(3.575,-4.55) 2R1(-3.575,-5.2) 2R2(-2.925,-5.2) 2R3(-2.275,-5.2) 2R4(-1.625,-5.2) 2R5(-0.975,-5.2) 2R6(-0.325,-5.2) 2R7(0.325,-5.2) 2R8(0.975,-5.2) 2R9(1.625,-5.2) 2R10(2.275,-5.2) 2R11(2.925,-5.2) 2R12(3.575,-5.2) 2T1(-3.575,-5.85) 2T2(-2.925,-5.85) 2T3(-2.275,-5.85) 2T4(-1.625,-5.85) 2T5(-0.975,-5.85) 2T6(-0.325,-5.85) 2T7(0.325,-5.85) 2T8(0.975,-5.85) 2T9(1.625,-5.85) 2T10(2.275,-5.85) 2T11(2.925,-5.85) 2T12(3.575,-5.85) 2U1(-3.575,-6.5) 2U2(-2.925,-6.5) 2U3(-2.275,-6.5) 2U4(-1.625,-6.5) 2U5(-0.975,-6.5) 2U6(-0.325,-6.5) 2U7(0.325,-6.5) 2U8(0.975,-6.5) 2U9(1.625,-6.5) 2U10(2.275,-6.5) 2U11(2.925,-6.5) 2U12(3.575,-6.5) 2V1(-3.575,-7.15) 2V2(-2.925,-7.15) 2V3(-2.275,-7.15) 2V4(-1.625,-7.15) 2V5(-0.975,-7.15) 2V6(-0.325,-7.15) 2V7(0.325,-7.15) 2V8(0.975,-7.15) 2V9(1.625,-7.15) 2V10(2.275,-7.15) 2V11(2.925,-7.15) 2V12(3.575,-7.15) A1(-7.7,8.25) A2(-7.15,8.25) A3(-6.6,8.25) A4(-6.05,8.25) A5(-5.5,8.25) A7(-4.4,8.25) A9(-3.3,8.25) A11(-2.2,8.25) A13(-1.1,8.25) A15(0,8.25) A17(1.1,8.25) A19(2.2,8.25) A21(3.3,8.25) A23(4.4,8.25) A25(5.5,8.25) A26(6.05,8.25) A27(6.6,8.25) A28(7.15,8.25) A29(7.7,8.25) AA28(7.15,-2.75) AB1(-7.7,-3.3) AB28(7.15,-3.3) AB29(7.7,-3.3) AC1(-7.7,-3.85) AC28(7.15,-3.85) AD28(7.15,-4.4) AD29(7.7,-4.4) AE1(-7.7,-4.95) AE28(7.15,-4.95) AE29(7.7,-4.95) AF1(-7.7,-5.5) AF28(7.15,-5.5) AF29(7.7,-5.5) AG28(7.15,-6.05) AG29(7.7,-6.05) AH1(-7.7,-6.6) AH28(7.15,-6.6) AH29(7.7,-6.6) AJ1(-7.7,-7.15) AJ28(7.15,-7.15) AJ29(7.7,-7.15) AK1(-7.7,-7.7) AK2(-7.15,-7.7) AK3(-6.6,-7.7) AK4(-6.05,-7.7) AK5(-5.5,-7.7) AK6(-4.95,-7.7) AK7(-4.4,-7.7) AK8(-3.85,-7.7) AK9(-3.3,-7.7) AK10(-2.75,-7.7) AK11(-2.2,-7.7) AK12(-1.65,-7.7) AK13(-1.1,-7.7) AK14(-0.55,-7.7) AK15(0,-7.7) AK16(0.55,-7.7) AK17(1.1,-7.7) AK18(1.65,-7.7) AK19(2.2,-7.7) AK20(2.75,-7.7) AK21(3.3,-7.7) AK22(3.85,-7.7) AK23(4.4,-7.7) AK24(4.95,-7.7) AK25(5.5,-7.7) AK26(6.05,-7.7) AK27(6.6,-7.7) AK28(7.15,-7.7) AK29(7.7,-7.7) AL1(-7.7,-8.25) AL2(-7.15,-8.25) AL3(-6.6,-8.25) AL4(-6.05,-8.25) AL5(-5.5,-8.25) AL6(-4.95,-8.25) AL7(-4.4,-8.25) AL8(-3.85,-8.25) AL9(-3.3,-8.25) AL10(-2.75,-8.25) AL11(-2.2,-8.25) AL12(-1.65,-8.25) AL13(-1.1,-8.25) AL14(-0.55,-8.25) AL15(0,-8.25) AL16(0.55,-8.25) AL17(1.1,-8.25) AL18(1.65,-8.25) AL19(2.2,-8.25) AL20(2.75,-8.25) AL21(3.3,-8.25) AL22(3.85,-8.25) AL23(4.4,-8.25) AL24(4.95,-8.25) AL25(5.5,-8.25) AL26(6.05,-8.25) AL28(7.15,-8.25) AL29(7.7,-8.25) B1(-7.7,7.7) B2(-7.15,7.7) B3(-6.6,7.7) B4(-6.05,7.7) B5(-5.5,7.7) B6(-4.95,7.7) B7(-4.4,7.7) B8(-3.85,7.7) B9(-3.3,7.7) B10(-2.75,7.7) B11(-2.2,7.7) B12(-1.65,7.7) B13(-1.1,7.7) B14(-0.55,7.7) B15(0,7.7) B16(0.55,7.7) B17(1.1,7.7) B18(1.65,7.7) B19(2.2,7.7) B20(2.75,7.7) B21(3.3,7.7) B22(3.85,7.7) B23(4.4,7.7) B24(4.95,7.7) B25(5.5,7.7) B26(6.05,7.7) B27(6.6,7.7) B28(7.15,7.7) B29(7.7,7.7) C1(-7.7,7.15) C28(7.15,7.15) C29(7.7,7.15) D1(-7.7,6.6) D28(7.15,6.6) E1(-7.7,6.05) E28(7.15,6.05) E29(7.7,6.05) F28(7.15,5.5) G1(-7.7,4.95) G28(7.15,4.95) G29(7.7,4.95) H1(-7.7,4.4) H28(7.15,4.4) H29(7.7,4.4) J28(7.15,3.85) J29(7.7,3.85) K1(-7.7,3.3) K28(7.15,3.3) K29(7.7,3.3) L1(-7.7,2.75) L28(7.15,2.75) L29(7.7,2.75) M28(7.15,2.2) M29(7.7,2.2) N1(-7.7,1.65) N28(7.15,1.65) N29(7.7,1.65) P1(-7.7,1.1) P28(7.15,1.1) P29(7.7,1.1) R28(7.15,0.55) R29(7.7,0.55) T1(-7.7,0) T28(7.15,0) T29(7.7,0) U1(-7.7,-0.55) U28(7.15,-0.55) U29(7.7,-0.55) V28(7.15,-1.1) V29(7.7,-1.1) W1(-7.7,-1.65) W28(7.15,-1.65) Y1(-7.7,-2.2) Y28(7.15,-2.2) Y29(7.7,-2.2)
